# KiCad board jorian.kicad_pcb
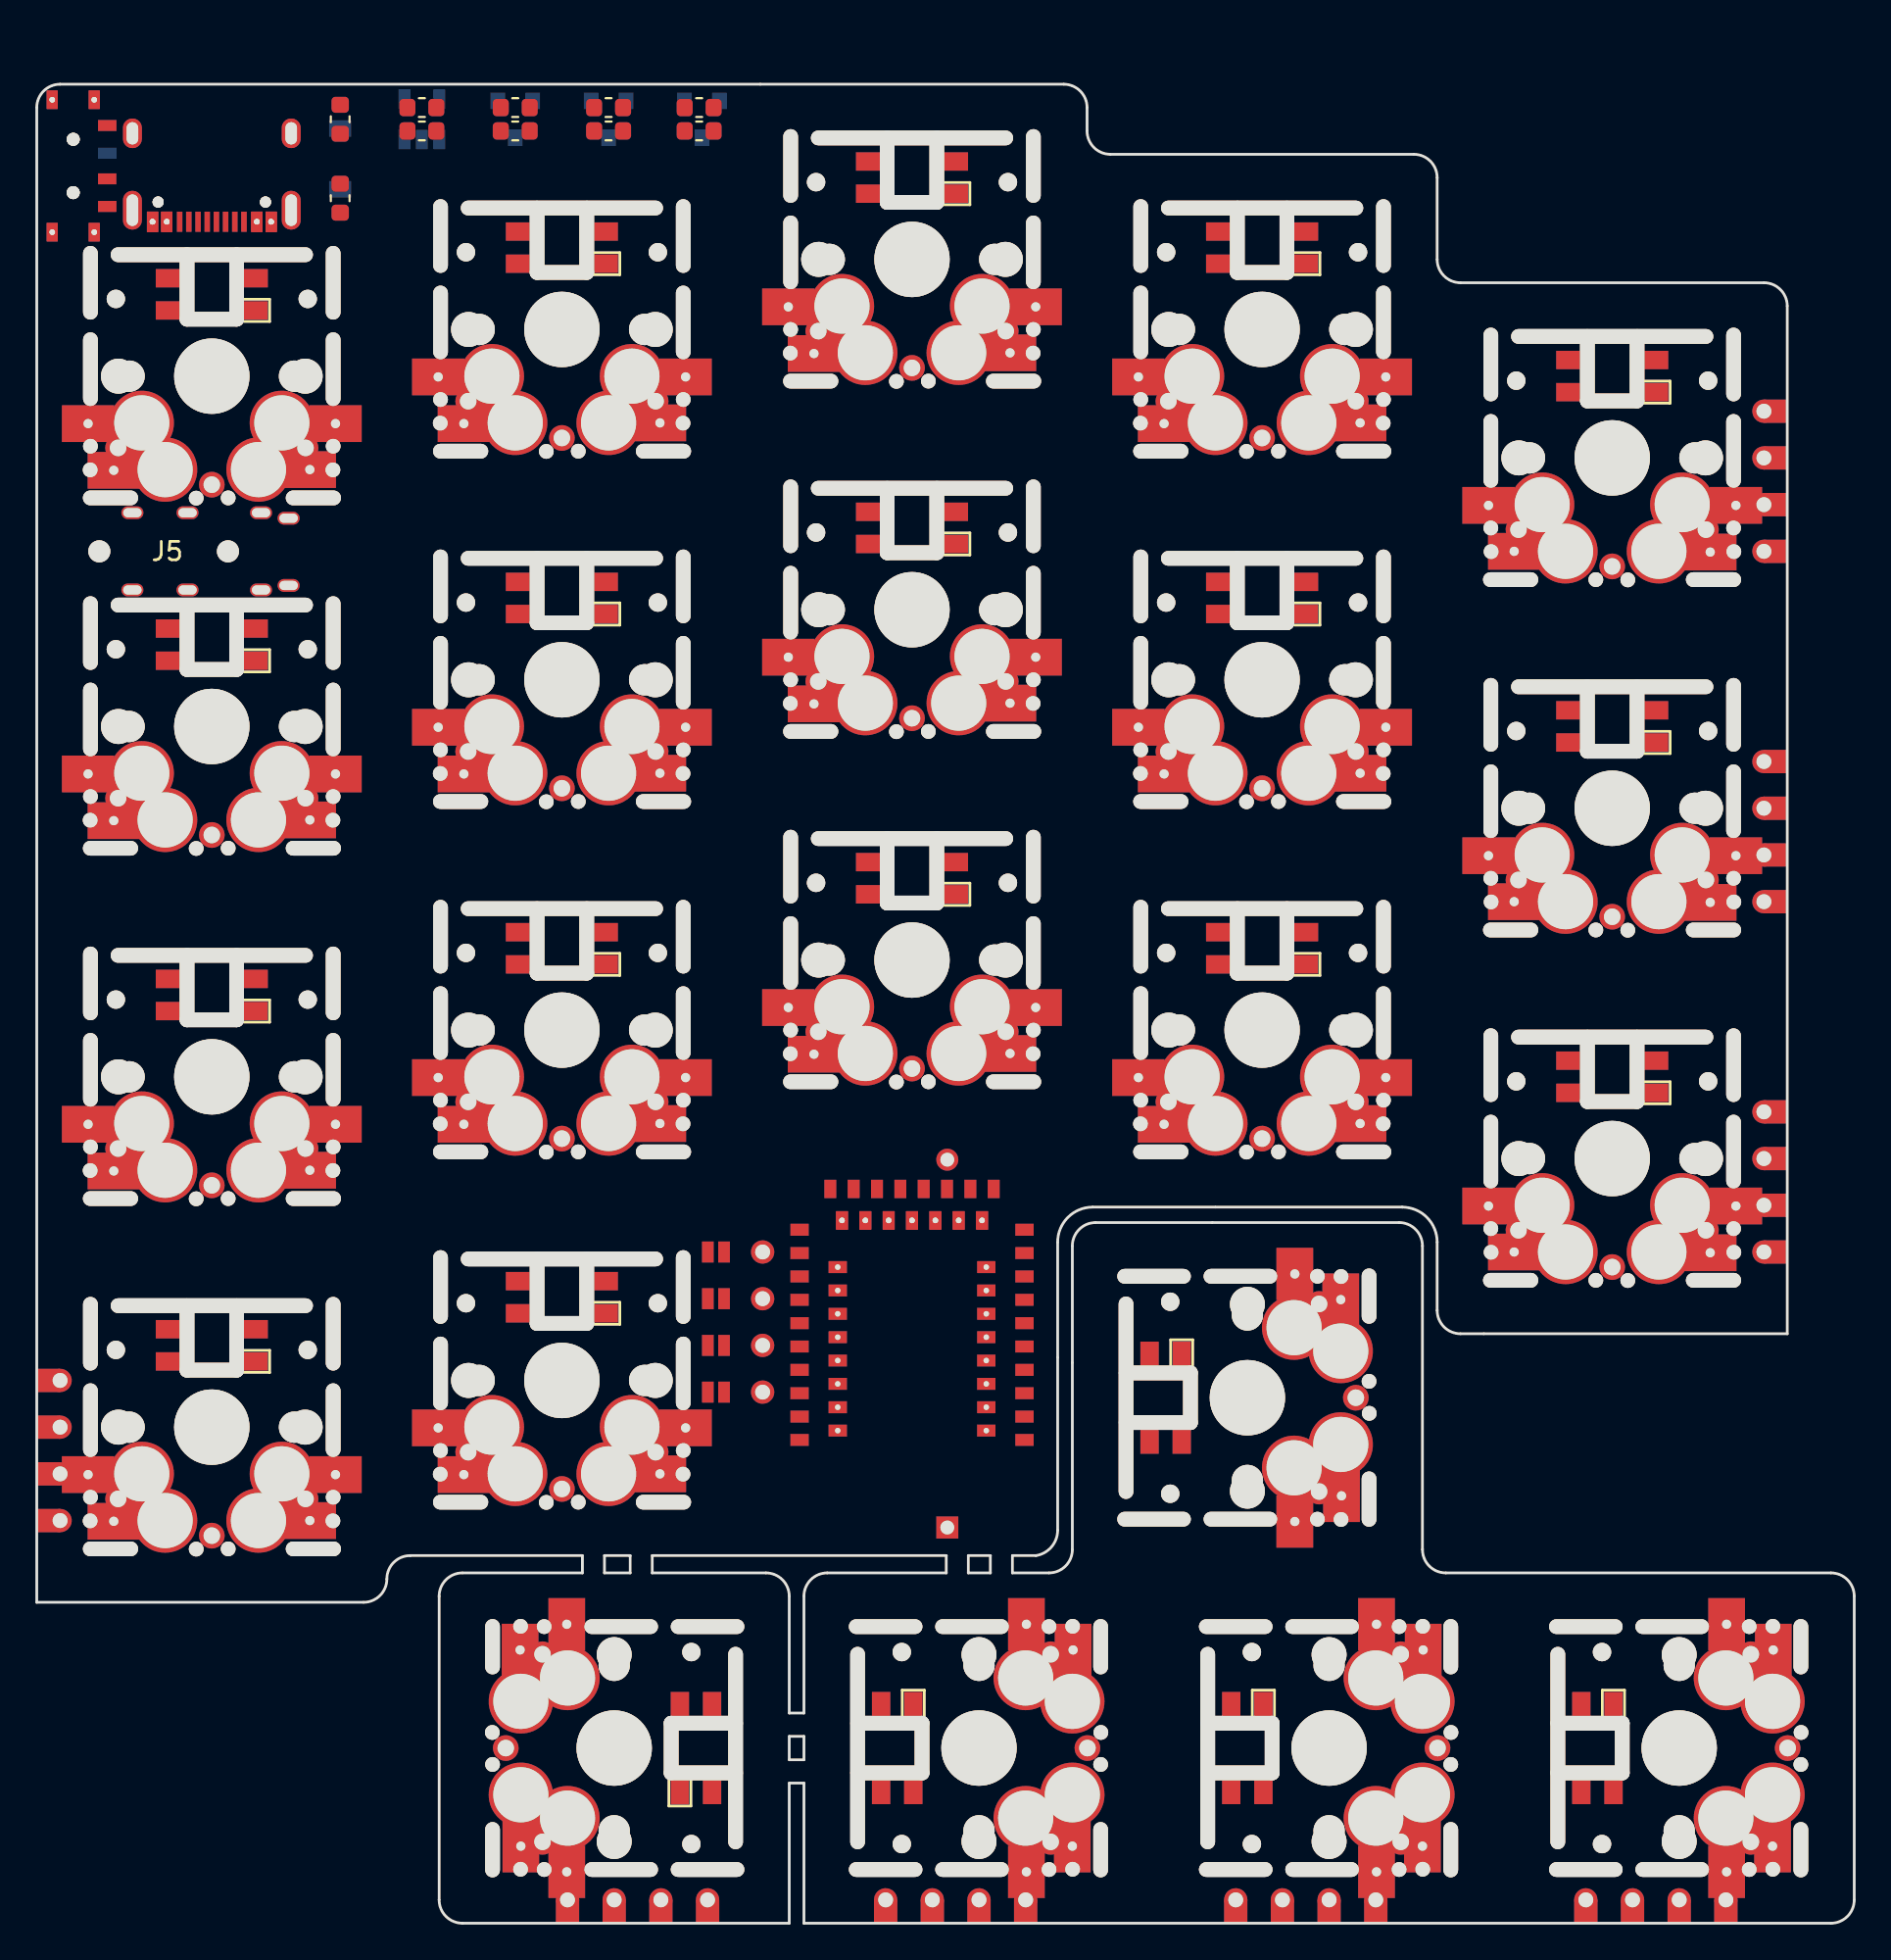
[diagram p0: board, top side]
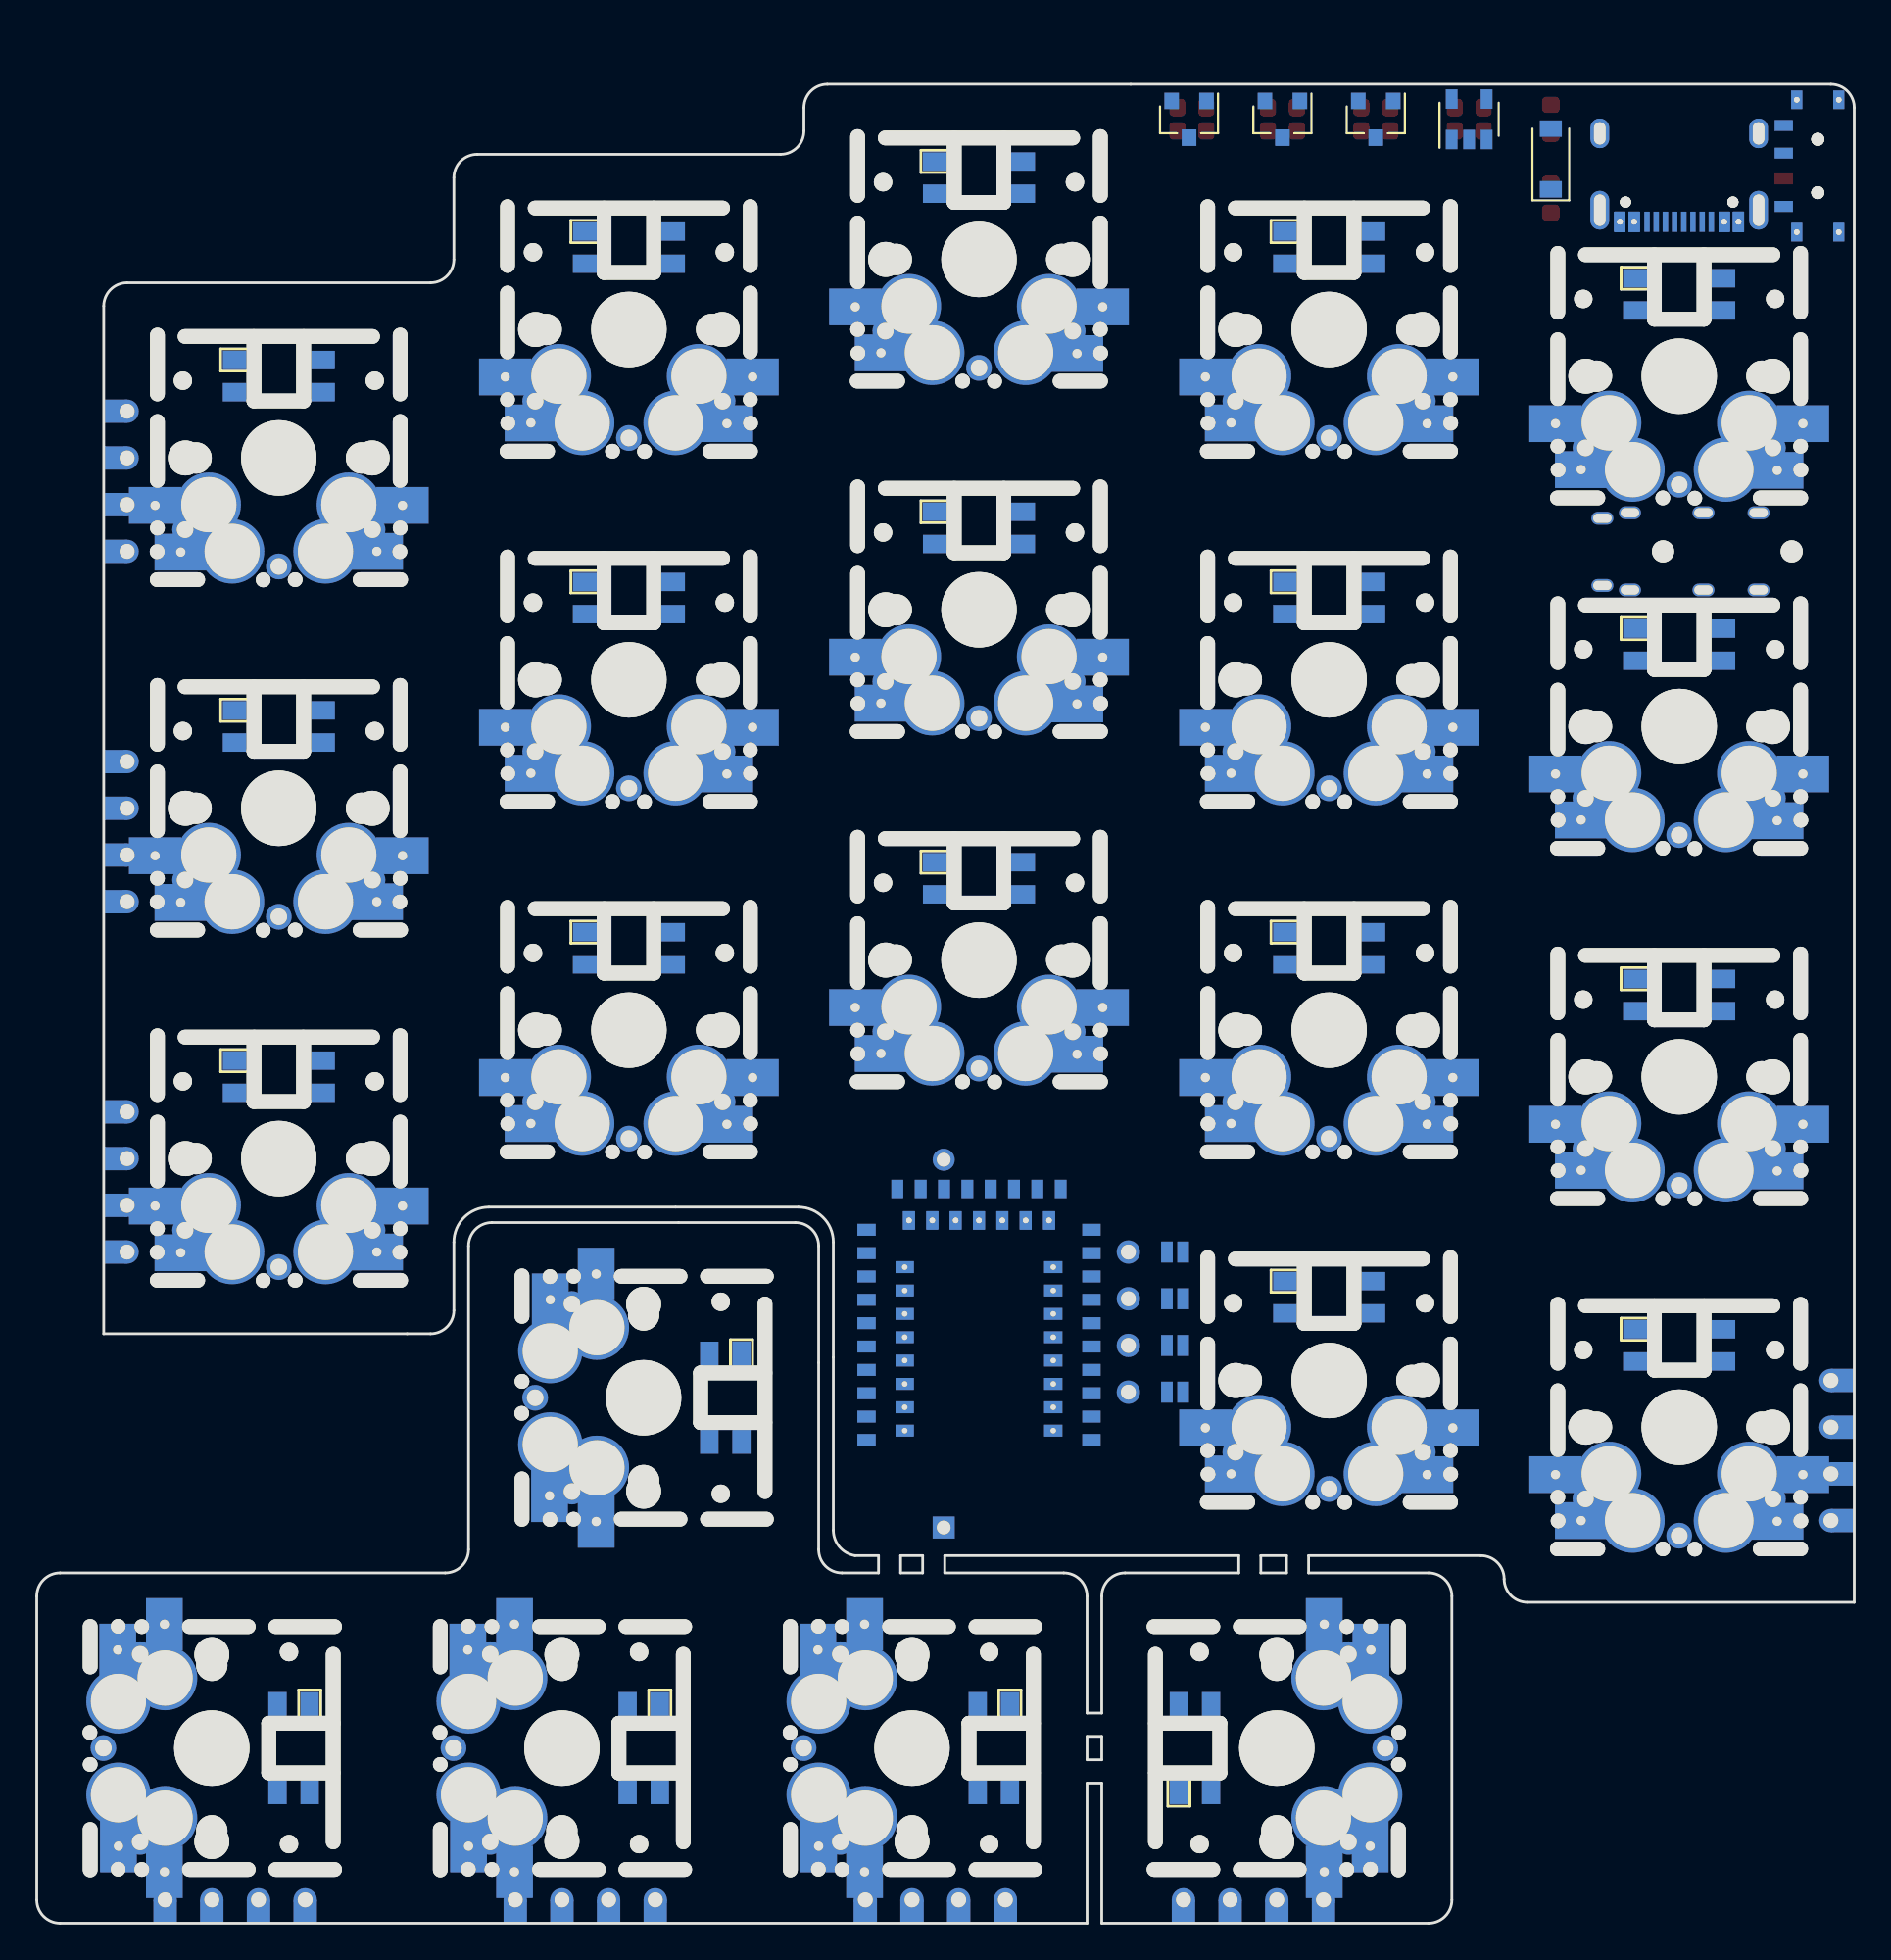
[diagram p1: board, bottom side, seen from below]

Outline 98.89 x 100 mm; copper layers: Top, Bottom. Coordinates in mm from the lower left corner of the outline.
Outline path: 0,98.73 arc(0.37,99.63) 1.27,100 55.88,100 arc(56.78,99.63) 57.15,98.73 57.15,97.46 arc(57.52,96.56) 58.42,96.19 74.93,96.19 arc(75.83,95.82) 76.2,94.92 76.2,90.48 arc(76.57,89.58) 77.47,89.21 93.98,89.21 arc(94.88,88.83) 95.25,87.94 95.25,32.06 77.47,32.06 arc(76.57,32.43) 76.2,33.33 76.2,37.04 arc(75.64,38.38) 74.29,38.94 57.46,38.94 arc(56.11,38.38) 55.55,37.04 55.55,21.37 arc(55.21,20.46) 54.36,19.99 53.09,19.99 53.09,19.05 55.08,19.05 arc(55.98,19.42) 56.35,20.32 56.35,36.83 arc(56.72,37.73) 57.62,38.1 74.13,38.1 arc(75.03,37.73) 75.4,36.83 75.4,20.32 arc(75.77,19.42) 76.67,19.05 97.62,19.05 arc(98.52,18.68) 98.89,17.78 98.89,1.27 arc(98.52,0.37) 97.62,0 41.74,0 41.74,7.62 40.95,7.62 40.95,0 23.16,0 arc(22.27,0.37) 21.9,1.27 21.9,17.78 arc(22.27,18.68) 23.16,19.05 29.69,19.05 29.69,19.99 20.32,19.99 arc(19.42,19.62) 19.05,18.72 arc(18.68,17.82) 17.78,17.45 0,17.45 0,98.73 ; 30.89,19.99 30.89,19.05 32.29,19.05 32.29,19.99 30.89,19.99 ; 33.49,19.99 33.49,19.05 39.68,19.05 arc(40.57,18.68) 40.95,17.78 40.95,11.43 41.74,11.43 41.74,17.78 arc(42.12,18.68) 43.02,19.05 49.49,19.05 49.49,19.99 33.49,19.99 ; 40.95,10.16 40.95,8.89 41.74,8.89 41.74,10.16 40.95,10.16 ; 50.69,19.99 50.69,19.05 51.89,19.05 51.89,19.99 50.69,19.99

## Placement (name value [footprint] x y rotation side)
BT1  Battery Holder  [cr2032_bs-7]  49.53 28.88 0 top
C1  10uF  [C_0603_1608Metric]  20.95 98.73 0 top
C2  10uF  [C_0603_1608Metric]  20.95 97.46 0 top
D2  1N5819  [D_SOD-123]  16.51 95.94 90 bottom
E5  left  [edge_conn]  95.25 78.41 0 top
E10  left  [edge_conn]  95.25 59.36 0 top
E15  left  [edge_conn]  95.25 40.31 0 top
E16  right  [edge_conn]  0 25.71 180 bottom
E18  left  [edge_conn]  32.69 0 270 top
E19  right  [edge_conn]  50 0 270 bottom
E20  right  [edge_conn]  69.05 0 270 bottom
E21  right  [edge_conn]  88.1 0 270 bottom
J1  USB-C  [usb_type_c]  9.52 100 0 top
J2  USB-C  [usb_type_c]  9.52 100 180 bottom
J5  MJ-4PP-9  [trrs_connector]  1.91 74.6 0 top
JP2  -  [jumper]  36.96 28.88 270 top
JP3  -  [jumper]  36.96 31.42 270 top
JP4  -  [jumper]  36.96 33.96 270 top
JP5  -  [jumper]  36.96 36.5 270 top
JP6  -  [jumper]  36.96 28.88 90 bottom
JP7  -  [jumper]  36.96 31.42 90 bottom
JP8  -  [jumper]  36.96 33.96 90 bottom
JP9  -  [jumper]  36.96 36.5 90 bottom
L1  SK6812MINI  [kbd_SK6812MINI]  9.52 88.5 0 top
L2  SK6812MINI  [kbd_SK6812MINI]  28.57 91.04 0 top
L3  SK6812MINI  [kbd_SK6812MINI]  47.63 94.85 0 top
L4  SK6812MINI  [kbd_SK6812MINI]  66.68 91.04 0 top
L5  SK6812MINI  [kbd_SK6812MINI]  85.72 84.05 0 top
L6  SK6812MINI  [kbd_SK6812MINI]  9.52 69.45 0 top
L7  SK6812MINI  [kbd_SK6812MINI]  28.57 71.99 0 top
L8  SK6812MINI  [kbd_SK6812MINI]  47.63 75.8 0 top
L9  SK6812MINI  [kbd_SK6812MINI]  66.68 71.99 0 top
L10  SK6812MINI  [kbd_SK6812MINI]  85.72 65 0 top
L11  SK6812MINI  [kbd_SK6812MINI]  9.52 50.4 0 top
L12  SK6812MINI  [kbd_SK6812MINI]  28.57 52.94 0 top
L13  SK6812MINI  [kbd_SK6812MINI]  47.63 56.75 0 top
L14  SK6812MINI  [kbd_SK6812MINI]  66.68 52.94 0 top
L15  SK6812MINI  [kbd_SK6812MINI]  85.72 45.95 0 top
L16  SK6812MINI  [kbd_SK6812MINI]  9.52 31.35 0 top
L17  SK6812MINI  [kbd_SK6812MINI]  28.57 33.96 0 top
L18  SK6812MINI  [kbd_SK6812MINI]  35.79 9.53 270 top
L19  SK6812MINI  [kbd_SK6812MINI]  46.9 9.53 90 top
L20  SK6812MINI  [kbd_SK6812MINI]  65.95 9.53 90 top
L21  SK6812MINI  [kbd_SK6812MINI]  85 9.53 90 top
L22  SK6812MINI  [kbd_SK6812MINI]  61.51 28.58 90 top
OLED1  I2C_conn  [connector_swd]  39.5 32.69 270 top
Q1  AO3407  [SOT-23]  31.12 98.1 270 bottom
Q2  SI2306  [SOT-23]  26.04 98.1 270 bottom
Q3  AO3407  [SOT-23]  36.2 98.1 270 bottom
R1  100K  [R_0603_1608Metric]  36.04 97.46 0 top
R2  820K  [R_0603_1608Metric]  26.04 97.46 0 top
R3  4.7K  [R_0603_1608Metric]  31.12 97.46 0 top
R4  2M  [R_0603_1608Metric]  26.04 98.73 0 top
R5  5.1K  [R_0603_1608Metric]  16.51 98.1 270 top
R6  5.1K  [R_0603_1608Metric]  16.51 93.8 90 top
R7  2M  [R_0603_1608Metric]  31.12 98.73 180 top
S1  CHERRY MX  [cherry]  9.52 84.13 0 top
S2  CHERRY MX  [cherry]  28.57 86.67 0 top
S3  CHERRY MX  [cherry]  47.63 90.48 0 top
S4  CHERRY MX  [cherry]  66.68 86.67 0 top
S5  CHERRY MX  [cherry]  85.72 79.68 180 bottom
S6  CHERRY MX  [cherry]  9.52 65.08 0 top
S7  CHERRY MX  [cherry]  28.57 67.62 0 top
S8  CHERRY MX  [cherry]  47.63 71.43 0 top
S9  CHERRY MX  [cherry]  66.68 67.62 0 top
S10  CHERRY MX  [cherry]  85.72 60.63 180 bottom
S11  CHERRY MX  [cherry]  9.52 46.03 0 top
S12  CHERRY MX  [cherry]  28.57 48.57 0 top
S13  CHERRY MX  [cherry]  47.63 52.38 0 top
S14  CHERRY MX  [cherry]  66.68 48.57 0 top
S15  CHERRY MX  [cherry]  85.72 41.58 180 bottom
S16  CHERRY MX  [cherry]  9.52 26.98 0 top
S17  CHERRY MX  [cherry]  28.57 29.52 0 top
S18  CHERRY MX  [cherry]  31.42 9.53 270 top
S19  CHERRY MX  [cherry]  51.27 9.53 270 bottom
S20  CHERRY MX  [cherry]  70.32 9.53 270 bottom
S21  CHERRY MX  [cherry]  89.37 9.53 270 bottom
S22  CHERRY MX  [cherry]  65.88 28.58 90 top
SW1  MSK-12C02  [switch_MSK-12C02_smd]  0.63 95.56 0 top
SW2  MSK-12C02  [switch_MSK-12C02_smd]  0.63 95.56 0 bottom
U1  -  [E73-2G4M08S1C-52840]  47.63 40.31 270 top
U2  -  [E73-2G4M08S1C-52840]  47.63 40.31 270 bottom
U3  MCP73831  [SOT-23-5]  20.95 98.1 90 bottom
X1  10uH  [L_0603_1608Metric]  36.04 98.73 180 top

## Footprints (pads in the part's own frame, mm; a bottom-side part is the same pattern mirrored in y, then rotated)
C_0603_1608Metric
  rrect 0.875x0.95 smd: 1(-0.787,0) 2(0.787,0)
cherry
  oval 0.8x0.8 hole 0.8 unplated: (-6.619,-5.095) (-6.604,-3.81) (-0.849,-6.632) (0.891,-6.619) (6.589,-5.095) (6.604,-3.81)
  oval 0.8x4 hole 0.8x4 unplated: (-6.604,5.08) (-6.604,0.381) (6.604,5.08) (6.604,0.381)
  oval 3x0.8 hole 3x0.8 unplated: (-5.512,-6.619) (5.527,-6.619)
  round 1 hole 1 unplated: (-5.22,4.2) (5.22,4.2)
  round 1.9 hole 1.9 unplated: (-5.08,0) (5.08,0)
  round 1.7 hole 1.7 unplated: (-4.5,0) (4.5,0)
  oval 0.8x4.3 hole 0.8x4.3 unplated: (-1.35,4.85) (1.35,4.85)
  oval 11x0.8 hole 11x0.8 unplated: (0,6.605)
  oval 3.5x0.8 hole 3.5x0.8 unplated: (0,3.1)
  round 4.1 hole 4.1 unplated: (0,0)
  round 1.4 hole 0.9: (0,-5.9) 1(-5.1,-3.9) 2(5.1,-3.9)
  rect 2.85x2 hole 0.5: 1(-6.731,-2.58) 1(-5.334,-5.12) 2(5.334,-5.08) 2(6.731,-2.58)
  round 3.5 hole 3: 1(-3.81,-2.54) 1(-2.54,-5.08) 2(2.54,-5.08) 2(3.81,-2.54)
connector_swd
  round 1.27 hole 0.81: 1(-3.81,0) 2(-1.27,0) 3(1.27,0) 4(3.81,0)
cr2032_bs-7
  round 1.2 hole 0.75: 1(0.015,12.639)
  rect 1.2x1.2 hole 0.75: 2(0.015,-7.361)
D_SOD-123
  rect 0.9x1.2 smd: 1(-1.65,0) 2(1.65,0)
E73-2G4M08S1C-52840
  rect 0.65x1 smd: 1(14.03,6.119) 2(12.76,6.119) 3(11.49,6.119) 4(10.22,6.119) 5(8.95,6.119) 6(7.68,6.119) 7(6.41,6.119) 8(5.14,6.119) 9(3.87,6.119) 10(2.6,6.119) 26(2.6,-6.119) 27(3.87,-6.119) 29(5.14,-6.119) 31(6.41,-6.119) 33(7.68,-6.119) 35(8.95,-6.119) 37(10.22,-6.119) 39(11.49,-6.119) 41(12.76,-6.119) 43(14.03,-6.119)
  rect 1x0.65 smd: 11(0.381,4.445) 13(0.381,3.175) 15(0.381,1.905) 17(0.381,0.635) 19(0.381,-0.635) 21(0.381,-1.905) 23(0.381,-3.175) 25(0.381,-4.445)
  rect 1x0.65 hole 0.3: 12(2.092,3.81) 14(2.092,2.54) 16(2.092,1.27) 18(2.092,0) 20(2.092,-1.27) 22(2.092,-2.54) 24(2.092,-3.81)
  rect 0.65x1 hole 0.3: 28(4.632,-4.041) 30(5.902,-4.041) 32(7.172,-4.041) 34(8.442,-4.041) 36(9.712,-4.041) 38(10.982,-4.041) 40(12.252,-4.041) 42(13.522,-4.041)
edge_conn
  round 1.27 hole 0.81: 1(-1.27,3.81) 2(-1.27,1.27) 3(-1.27,-1.27) 4(-1.27,-3.81)
  rect 1.27x1.27 smd: 1(-0.635,3.81) 2(-0.635,1.27) 3(-0.635,-1.27) 4(-0.635,-3.81)
  rect 1.27x1.27 smd far side: 1(-0.635,3.81) 2(-0.635,1.27) 3(-0.635,-1.27) 4(-0.635,-3.81)
jumper
  rect 1.143x0.635 smd: 1(0,-0.441) 2(0,0.441)
kbd_SK6812MINI
  rect 1.3x1 smd far side: 1(-2.4,0.955) 2(-2.4,-0.795) 3(2.4,-0.795) 4(2.4,0.955)
  rect 1.3x1 smd: 1(-2.4,-0.795) 2(-2.4,0.955) 3(2.4,0.955) 4(2.4,-0.795)
L_0603_1608Metric
  rrect 0.875x0.95 smd: 1(-0.787,0) 2(0.787,0)
R_0603_1608Metric
  rrect 0.875x0.95 smd: 1(-0.787,0) 2(0.787,0)
SOT-23
  rect 0.9x0.8 smd: 1(-1,0.95) 2(-1,-0.95) 3(1,0)
SOT-23-5
  rect 1.06x0.65 smd: 1(-1.1,0.95) 2(-1.1,0) 3(-1.1,-0.95) 4(1.1,-0.95) 5(1.1,0.95)
switch_MSK-12C02_smd
  rect 0.6x1 hole 0.3: (0.207,3.6) (0.207,-3.6) (2.493,3.6) (2.493,-3.6)
  round 0.7 hole 0.7 unplated: (1.35,1.45) (1.35,-1.45)
  rect 1x0.6 smd: 1(3.2,2.2) 2(3.2,-0.7) 3(3.2,-2.2)
trrs_connector
  round 1.2 hole 1.2 unplated: (1.499,0) (8.499,0)
  oval 1.2x0.7 hole 1x0.5: A(11.799,1.8) A(11.799,-1.855) B(3.299,2.1) B(3.299,-2.1) C(6.299,2.1) C(6.299,-2.1) D(10.299,2.1) D(10.299,-2.1)
usb_type_c
  oval 1x1.6 hole 0.6x1.2: (-4.335,-2.67) (4.305,-2.67)
  round 0.6 hole 0.6 unplated: (-2.921,-6.407) (2.921,-6.407)
  rect 0.6x1.1 hole 0.3: A1(3.225,-7.478) A4(2.45,-7.478) A9(-2.45,-7.478) A12(-3.225,-7.478) B1(-3.234,-7.478) B1(-3.225,-7.478) B4(-2.45,-7.478) B9(2.45,-7.478) B12(3.225,-7.478)
  rect 0.3x1.1 smd: A5(1.75,-7.478) A6(0.75,-7.478) A7(-0.75,-7.478) A8(-1.75,-7.478) B5(-1.25,-7.478) B6(-0.25,-7.478) B7(0.25,-7.478) B8(1.25,-7.478)
  oval 1x2.1 hole 0.6x1.7: S1(-4.335,-6.85) S1(4.305,-6.85)

## Nets
/GND_A: E18.3 L18.2 S18.1
/GND_B: E19.3 E20.3 E21.3 L19.2 L20.2 L21.2 L22.2 S19.1 S20.1 S21.1 S22.1
/VCC_A: E18.1 L18.4
/VCC_B: E21.2 L19.4 L20.4 L21.4 L22.4
GND: BT1.2 C1.2 C2.2 E5.3 E10.3 E15.3 E16.3 J1.A1 J1.A12 J1.B1 J1.B12 J1.S1 J2.A1 J2.A12 J2.B1 J2.B12 J2.S1 J5.C JP2.1 JP9.1 L1.2 L2.2 L3.2 L4.2 L5.2 L6.2 L7.2 L8.2 L9.2 L10.2 L11.2 L12.2 L13.2 L14.2 L15.2 L16.2 L17.2 Q2.2 R1.2 R3.2 R5.2 R6.2 R7.1 S1.1 S2.1 S3.1 S4.1 S5.1 S6.1 S7.1 S8.1 S9.1 S10.1 S11.1 S12.1 S13.1 S14.1 S15.1 S16.1 S17.1 U1.21 U2.21 U3.2
VBAT: BT1.1 C2.1 SW1.2 SW2.2 U3.3
VBUS: D2.2 J1.A4 J1.A9 J1.B4 J1.B9 J2.A4 J2.A9 J2.B4 J2.B9 Q1.1 R1.1 U1.27 U2.27 U3.4
VCC: J5.D JP3.1 JP8.1 U1.19 U2.19 X1.2
VDDH: C1.1 D2.1 Q1.2 Q3.3 R4.1 U1.23 U2.23
/DIN5: E5.1 L5.3
/DIN5_B: E19.1 L19.1
/DIN18: E16.2 L16.1
/DIN18_A: E18.2 L18.3
/DIN21: E5.2 L15.1
/DIN21_B: E19.2 L21.3
/S18_A: E18.4 S18.2
/S19_B: E19.4 S19.2
/S20_B: E20.4 S20.2
/S21_B: E21.4 S21.2
/S22_B: E20.2 S22.2
BAT_SW: Q1.3 R2.2 SW1.3 SW2.1
BATTERY_PIN: R2.1 R7.2 U1.18 U2.18
CC1: J1.A5 J2.A5 R5.1
CC2: J1.B5 J2.B5 R6.1
D+: J1.A6 J1.B6 J2.A6 J2.B6 U1.31 U2.31
D-: J1.A7 J1.B7 J2.A7 J2.B7 U1.29 U2.29
DCCH: U1.25 U2.25 X1.1
LED_DATA: L17.3 U1.16 U1.20 U2.16 U2.20
LED_VCC: E15.2 E16.1 L1.4 L2.4 L3.4 L4.4 L5.4 L6.4 L7.4 L8.4 L9.4 L10.4 L11.4 L12.4 L13.4 L14.4 L15.4 L16.4 L17.4 Q3.2
P0.06: Q2.1 U1.14 U1.22 U2.14 U2.22
RESET: U1.26 U2.26
RX: J5.B U1.17 U2.17
S1: S1.2 U1.38 U2.6
S2: S2.2 U1.33 U2.10
S3: S3.2 U1.28 U2.15
S4: S4.2 U1.15 U2.32
S5: S5.2 U1.8 U2.35
S6: S6.2 U1.40 U2.4
S7: S7.2 U1.34 U2.9
S8: S8.2 U1.30 U2.28
S9: S9.2 U1.10 U2.33
S10: S10.2 U1.7 U2.36
S11: S11.2 U1.41 U2.3
S12: S12.2 U1.35 U2.8
S13: S13.2 U1.32 U2.30
S14: S14.2 U1.9 U2.34
S15: S15.2 U1.6 U2.38
S16: S16.2 U1.42 U2.2
S17: S17.2 U1.36 U2.7
S18: E16.4 U1.43 U2.1
S19: E5.4 U1.4 U2.40
S20: E10.4 U1.3 U2.41
S21: E15.4 U1.2 U2.42
S22: E10.2 U1.1 U2.43
SCL: JP4.1 JP7.1 U1.13 U2.13
SDA: JP5.1 JP6.1 U1.11 U2.11
SWC: U1.39 U2.39
SWD: U1.37 U2.37
Net-(E10-Pad1): E10.1
Net-(E15-Pad1): E15.1
Net-(E20-Pad1): E20.1
Net-(E21-Pad1): E21.1
Net-(J1-PadA8): J1.A8
Net-(J1-PadB8): J1.B8
Net-(J2-PadA8): J2.A8
Net-(J2-PadB8): J2.B8
Net-(J5-PadA): J5.A
Net-(JP2-Pad2): JP2.2 JP6.2 OLED1.4
Net-(JP3-Pad2): JP3.2 JP7.2 OLED1.3
Net-(JP4-Pad2): JP4.2 JP8.2 OLED1.2
Net-(JP5-Pad2): JP5.2 JP9.2 OLED1.1
Net-(L1-Pad1): L1.1 L6.3
Net-(L1-Pad3): L1.3 L2.1
Net-(L2-Pad3): L2.3 L3.1
Net-(L3-Pad3): L3.3 L4.1
Net-(L4-Pad3): L4.3 L5.1
Net-(L7-Pad1): L7.1 L8.3
Net-(L10-Pad1): L10.1 L15.3
Net-(L10-Pad3): L9.1 L10.3
Net-(L11-Pad1): L11.1 L16.3
Net-(L11-Pad3): L6.1 L11.3
Net-(L12-Pad1): L7.3 L12.1
Net-(L12-Pad3): L12.3 L17.1
Net-(L13-Pad1): L13.1 L14.3
Net-(L13-Pad3): L8.1 L13.3
Net-(L14-Pad1): L9.3 L14.1
Net-(L18-Pad1): L18.1
Net-(L19-Pad3): L19.3 L22.1
Net-(L20-Pad1): L20.1 L22.3
Net-(L20-Pad3): L20.3 L21.1
Net-(Q2-Pad3): Q2.3 Q3.1 R4.2
Net-(R3-Pad1): R3.1 U3.5
Net-(SW1-Pad1): SW1.1
Net-(SW2-Pad3): SW2.3
Net-(U1-Pad5): U1.5
Net-(U1-Pad12): U1.12
Net-(U1-Pad24): U1.24
Net-(U2-Pad5): U2.5
Net-(U2-Pad12): U2.12
Net-(U2-Pad24): U2.24
Net-(U3-Pad1): U3.1
